# KiCad board Rogelio Pineda - connect 4 AMLDC-2044B.kicad_pcb (continued)
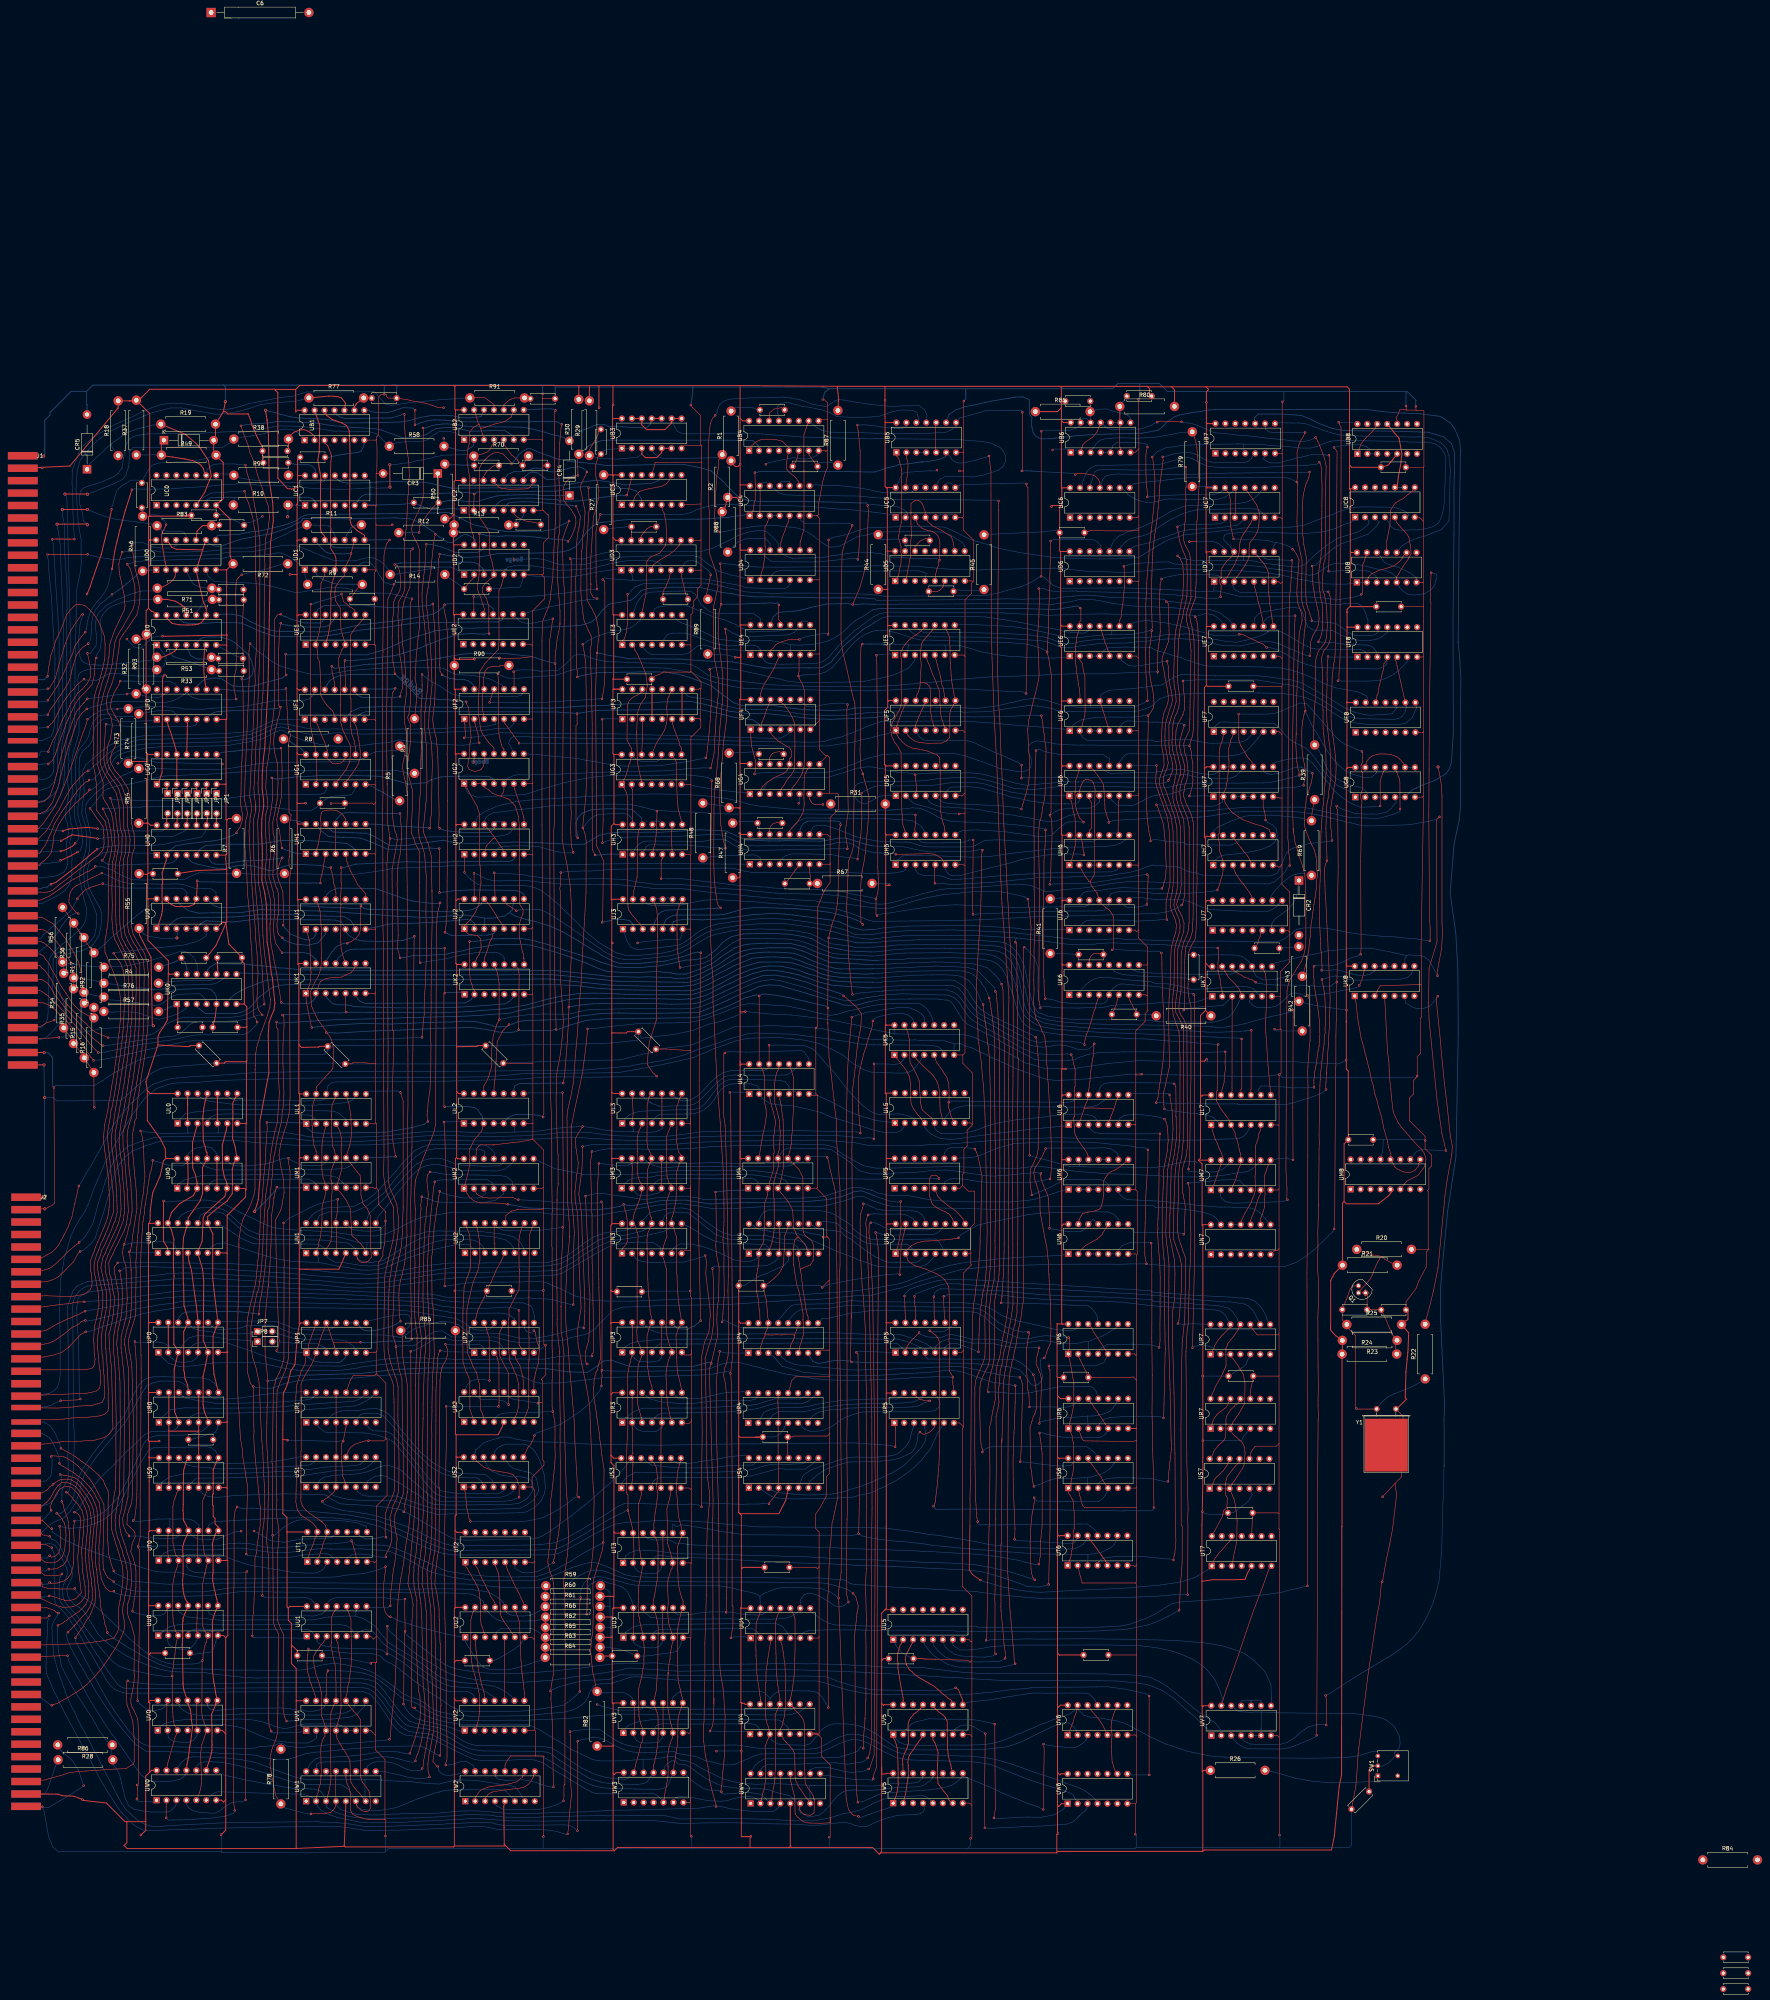
[diagram p0: board, top side]
## Routing (per net, layer and track width the routed paths; a pad name or vN(x,y) marks a point on that pad's centre or on a via; arc(x,y) is an arc through that point) (continued)
S0p1: length 55.3
  Bottom w0.15: US0.1 111.43,129.3 113.27,130.57 116.82,131.37 118.29,131.38 129.01,131.49 130.75,131.51 136.94,131.7 140.03,131.88 145.74,132.13 149.89,132.6 153.05,133.09 158.69,133.35 160.74,133.49 161.96,133.74 162.25,134.02 ; 162.25,134.02 162.26,134.04 ; 162.25,134.02 163.06,134.69 US1.10
S0p4: length 50.6
  Bottom w0.15: US1.9 165.64,134.7 165.11,134.27 164.56,133.7 163.65,133.03 162.04,132.38 158.71,132.22 157.05,132.21 155.04,132.14 153.43,131.87 150.15,131.39 148.06,131.03 146.11,130.85 144.14,130.78 140.61,130.7 138.63,130.7 134.55,130.44 131.41,130.43 124.38,130.29 122.44,130.28 120.06,130.23 118.17,128.45 US0.4
S0p9: length 25.7
  Bottom w0.15: US1.16 146.88,135.78 145.82,135.58 142.43,134.93 139.26,134.43 137.34,134.25 130.61,134.05 128.35,133.96 124.81,133.92 US0.9
S0p12: length 37
  Bottom w0.15: US0.12 116.93,134.17 118.04,133.57 119.68,133.17 123.44,132.9 124.77,132.73 126.06,132.61 128.06,132.64 128.95,132.73 134.65,132.76 138.08,132.93 139.24,133.05 143.65,133.22 145.11,133.35 148.23,133.54 149.34,133.71 149.62,133.98 150.42,134.56 US1.15
S1p2: length 191.2
  Top w0.15: 298.62,138.32 298.59,138.3 v1(298.63,138.3) 298.63,138.34 298.79,138.5 298.79,143.3 298.43,143.66 UR5.1 ; v1(202.57,125.39) 202.57,128.37 202.04,129.97 200.95,131.24 199.85,131.56 196.36,132.17 195.06,132.48 193.52,133.12 192.02,134.34 US2.13
  Bottom w0.15: 191.53,137.5 193.52,139.27 195.17,139.91 196.79,140.37 197.4,140.52 198.26,140.79 199.98,140.73 202.07,140.17 206.04,139.55 209.39,139.51 209.81,139.48 212.21,139.46 215.84,139.15 217.08,139.19 217.42,139.11 221.67,138.93 222.47,138.9 238.32,138.68 255.38,138.97 258.84,139.01 262.76,139.01 288.23,139.28 297.28,138.63 297.94,138.47 v1(298.63,138.3) ; 191.53,137.5 191.39,136.91 US2.13 ; 191.53,137.5 191.59,137.56 ; 174.59,130.3 172.51,132.14 171.9,132.63 169.25,133.54 167.63,133.36 166.21,132.84 164.99,132.29 163.66,131.86 161.52,131.38 159.63,131.24 156.5,131.07 154.4,130.83 152.8,130.52 151.73,129.86 US1.2 ; 174.59,130.3 174.68,130.2 ; 174.59,130.3 176.92,128.29 179.85,125.66 181,124.9 182.73,124.3 187.12,124.34 188.39,124.37 189.84,124.33 197.92,124.34 200.41,124.53 201.38,124.85 v1(202.57,125.39)
S1p3: length 84
  Bottom w0.15: US2.11 196.31,136.95 196.94,137.85 197.67,138.38 199.31,138.96 204.19,138.94 205.34,138.28 206.09,137.68 206.6,137.09 207.79,135.07 208.42,132.98 208.99,131.16 209.3,127.68 209,126.23 208.11,124.31 206.49,122.75 204.38,121.62 202.58,121.42 195.22,121.28 192.81,121.31 187.17,121.19 185.05,121.14 181.48,121.01 177.85,122.13 173.57,123.6 170.39,124.49 165.6,124.59 164.57,124.52 163.31,124.58 162.31,124.61 161.53,124.64 159.11,124.79 157.91,125.05 156.74,125.35 155.31,125.76 154.57,126.42 154.1,126.77 US1.3
S1p6: length 64.1
  Bottom w0.15: US1.6 161.3,126.77 162.71,125.86 163.31,125.73 164.1,125.67 ; 164.12,125.65 164.1,125.67 ; 164.1,125.67 166.29,125.67 166.73,125.65 168.25,125.68 171.28,125.7 175.94,124.04 179.18,122.89 181.93,122.3 183.09,122.29 184.4,122.27 185.73,122.28 187.69,122.29 189.85,122.29 195.41,122.32 202.83,122.59 204.44,123.34 206.26,124.7 207.6,127.04 207.21,129.46 206.84,130.47 206.11,131.14 205.4,131.65 204.5,131.89 202.94,132.24 201.14,132.7 200.32,133.3 199.49,134.43 US2.10
S1p7: length 64.9
  Bottom w0.15: US2.12 193.88,134.62 194.26,133.71 194.92,132.77 195.54,132.1 197.76,131.08 200.11,130.69 201.15,130.65 202.97,130.61 203.64,130.52 204.58,130.28 205.71,129.68 205.97,129.03 206.18,127.9 206.08,127.4 205.96,126.9 205.25,125.85 204.69,125.12 203.84,124.56 202.46,123.8 199.52,123.48 196.88,123.46 195.56,123.47 194.29,123.5 189.36,123.42 186.09,123.38 185.71,123.36 181.5,123.5 180.8,123.56 179.83,123.91 179.19,124.25 178.2,124.95 176.8,126.03 175.37,126.86 173.15,128.29 172.98,128.46 172.03,128.98 170.62,129.72 168.5,130.66 167.71,130.9 165.87,130.77 163.94,129.6 US1.7
S3p1: length 50.9
  Bottom w0.15: US4.10 275.22,133.96 271.41,133.81 267.38,133.81 265.63,133.53 262.09,132.47 260.01,132.17 258.76,132.04 255.35,131.89 254.35,131.86 248.4,131.63 233.34,131.69 232.01,131.65 230.48,130.79 229.82,130.26 228.66,128.75 US3.1
S3p4: length 45.6
  Bottom w0.15: US4.9 278.3,134.77 277.69,134.03 275.69,132.59 270.94,132.55 268.85,132.72 261.67,130.78 257.23,130.48 247.61,130.36 239.76,130.53 238.46,130.41 237.55,130.08 236.77,129.31 US3.4
S3p9: length 20.8
  Bottom w0.15: US3.9 242.43,134.39 243.11,134.09 243.91,133.89 246.63,134.12 247.59,134.25 249.38,134.58 253.18,135.15 256.07,135.67 256.35,135.73 256.76,135.79 259.3,136.03 260.57,136.03 US4.16
S3p12: length 31.6
  Bottom w0.15: US4.15 263.32,134.45 262.29,133.63 258.38,133.54 256.48,133.49 252.95,133.08 250.06,132.91 245.73,132.86 239.68,133.18 238.08,133.39 236.48,133.62 235.43,134.2 234.5,135.05 US3.12
S4p2: length 56.3
  Bottom w0.15: US4.2 265.01,126.97 265.87,126.31 267.21,125.55 268.66,125.19 272.48,124.94 283.97,125.18 285.24,125.31 287.98,125.43 289.19,125.84 292.8,126.59 293.08,126.86 293.53,126.95 293.8,127.17 294.98,127.69 295.69,127.95 296.93,128.64 298.46,129.4 299.72,130.21 301.07,131.1 303.58,133.06 304.21,133.72 305.3,134.78 305.67,135.26 306.19,135.9 306.58,136.39 306.86,136.74 307.7,137.79 308.85,140.37 309.41,141.5 309.61,141.94 309.98,142.51 310.4,143.23 UR5.6
S4p3: length 49.5
  Bottom w0.15: UR5.4 306.21,143.22 306.42,142.36 306.57,141.05 306.37,139.77 305.6,138.43 304.73,137.37 301.53,134.12 300.55,133.26 299.43,132.56 297.88,131.6 296.63,131.05 295.36,130.44 293.65,129.7 292.38,129.18 291.53,128.83 290.44,128.37 289.01,127.9 287.08,127.37 284.96,126.61 282.77,126.25 281.11,126.11 277.79,125.97 275.27,125.97 268.53,126.57 267.65,126.99 267.23,127.06 US4.3
S4p6: length 37.9
  Bottom w0.15: UR5.3 303.41,143.38 303.13,142.82 303.04,142.45 302.9,142.08 302.72,141.4 302.54,140.5 302.13,139.46 301.35,138.35 299.85,136.89 298.37,136.12 297.48,135.98 296.51,135.84 295.25,135.77 294.24,135.65 293.7,135.58 292.91,135.58 288.41,135.64 287.61,135.56 286.23,135.4 285.46,135.17 283.48,134.65 281.84,134.05 279.09,133.07 277.35,132.46 276.65,132.01 275.86,131.53 274.99,130.73 US4.6
S4p7: length 40.9
  Top w0.15: UR5.5 308.65,143.2 307.89,142.37 307.49,142.05 307.04,141.81 306.07,141.47 305.64,141.53 305.05,142 v1(304.99,142.05) 305.01,142
  Bottom w0.15: v1(304.99,142.05) 304.52,141.64 304.36,140.06 303.97,138.56 303.45,137.56 302.84,136.84 301.7,136.22 300.69,135.77 299.53,135.3 298.41,135.07 297.85,134.9 296.49,134.74 293.33,134.5 287.64,134.4 286.63,134.36 285.56,134.05 284.69,133.81 281.33,132.67 280.06,132 278.95,131.23 276.9,129.51 US4.7
S6p12: length 159.5
  Top w0.15: 334.3,104.21 334.3,104.25 v1(334.35,104.3) 334.3,104.35 333.83,104.95 333.51,105.97 333.35,107.31 333.14,113.88 333.23,115.44 333.29,117.48 333.33,118 333.65,121.13 333.82,121.97 334.16,123.86 334.22,124.98 v1(334.16,125.28) ; US6.12 347.96,134.64 348.53,134.23 348.8,133.88 349.13,133.53 349.33,133.2 350.02,132.23 351.24,130.55 351.59,129.87 351.92,129.39 352.42,128.56 US6.5
  Bottom w0.15: v1(334.35,104.3) 333.08,104.68 332.4,104.93 331.77,105.17 329.92,105.71 328.57,106.15 326.77,106.66 325.88,106.81 324.26,107.2 322.48,107.55 321.14,107.79 319.26,108.15 314.84,108.46 314.12,108.5 310.72,108.65 309.51,108.7 304.54,108.83 303.42,108.95 297.58,109.18 295.97,109.26 293.38,109.4 289.89,109.42 288.21,109.52 286.69,109.56 282.4,109.77 279.41,109.98 275.75,110.18 274.51,110.2 273.04,110.25 270.63,110.29 268.25,110.42 264.7,110.49 262.54,110.51 258.41,110.69 243,110.97 236.16,111.84 232.75,111.88 230.82,111.18 229.84,110.46 UT3.1 ; v1(334.16,125.28) 334.78,124.42 342.32,124.34 350.51,124.27 351.71,125.08 352.31,125.84 352.62,126.47 US6.5
S6p13: length 100.5
  Top w0.15: 330.64,155.91 331.13,154.47 331.2,152.63 330.82,137.11 v1(330.58,134.45)
  Bottom w0.15: v1(330.58,134.45) 331.58,134.4 332.38,134.31 333.38,134.17 334.68,134.04 336.61,133.73 337.39,133.69 338.88,133.47 341.47,133.4 342.16,133.36 342.74,133.48 343.56,133.57 344.39,134.4 US6.13 ; 330.42,156.09 v1(330.51,156.01) 328.47,156.22 327.21,156.39 325.24,156.71 321.72,157.41 319.64,157.91 315.98,158.66 314.63,158.74 313.16,158.72 313.09,158.74 309.84,158.63 308.83,158.63 307.89,158.53 304.36,158.37 303.17,158.32 298.58,158.16 297.9,158.13 297.44,158.07 291.05,157.97 ; 291.05,157.97 289.27,157.87 286.4,157.97 273.17,159.24 270.88,160.15 269.72,161.16 UP4.4 ; 291.05,157.97 291.09,157.97
S7p11: length 22.1
  Top w0.15: US7.11 386.49,134.18 385.65,133.46 384.78,132.32 384.13,131.51 383.48,130.65 383.3,129.98 383.01,129.06 383.04,127.2 383.13,125.93 383.54,125.2 383.4,122.76 382.55,121.94 382.31,120.54 UT7.14
S7p12: length 9.3
  Top w0.15: US7.12 383.85,134.24 383.32,133.34 382.51,132.18 381.67,131.41 380.81,130.57 380.46,130.27 380.2,129.84 379.98,129.14 US7.1
SPARE: length 54.8
  Top w0.15: 82.62,265.77 83.97,264.26 84.82,263.26 R56.1 ; 82.83,265.61 81.86,266.37 81.78,266.49 80.96,267.04 80.28,267.37 75.83,267.62 J1.79
  Bottom w0.15: UK0.12 120.44,260 120.38,261.13 119.9,262.46 119.26,263.46 118.53,264.08 117.39,264.76 116.25,264.9 114.48,264.29 113.5,263.94 112.46,263.68 108.73,262.54 105.58,261.79 103.31,261.3 101.77,261.11 101.21,260.98 100.29,260.91 98.84,260.91 R75.1 91.64,261.1 90.04,261.36 89.17,261.42 88.1,261.53 R56.1 86.23,261.75 R34.2
SPC BKD: length 338.4
  Top w0.15: J2.67 81.44,97.15 81.88,97.18 82.31,97.02 83.75,96.52 84.4,95.89 v1(84.9,95.83) 84.88,95.89 ; v1(217.55,63.07) 217.55,40.13
  Bottom w0.15: v1(217.49,40.23) 216.82,40.75 216.35,41.16 215.15,41.65 214.26,41.71 213.26,41.72 199.05,41.52 197.52,41.78 196.39,41.99 195.71,42.23 193.69,42.35 193.21,42.32 192.62,42.32 191.22,42.3 190.39,42.27 189.23,42.23 188.3,42.17 184.82,41.97 184.32,42 182.7,41.85 180.81,41.79 173.24,41.5 172.24,41.48 166.56,41.23 165.33,41.25 164.41,41.23 163.61,41.29 163.53,41.3 161.48,41.53 160.51,41.73 159.14,41.96 158.31,42.05 158.01,42.09 156.07,42.27 154.98,42.34 152.05,42.42 151.02,42.52 127.93,42.31 124.45,42.09 121.33,41.93 118.9,41.86 114.13,41.56 112.36,41.43 111.34,41.34 109.16,41.28 108.07,41.47 106.94,41.89 106.33,42.21 105.48,42.65 103.92,43.89 103.7,44.14 103.41,44.45 102.31,45.43 101.57,46.5 101.07,47.15 100.78,47.7 100.1,48.89 99.79,49.5 98.98,51 98.36,52.29 97.25,54.36 96.85,55.18 96.42,55.96 95.8,57.04 95.21,58.56 94.76,59.41 93.78,61.02 93.3,62.06 92.75,63.13 92.22,64.11 91.48,65.6 90.81,66.74 89.86,68.61 88.96,70.59 88.21,71.94 87.44,73.62 86.68,75.53 86.18,77.11 85.61,78.64 85.01,80.34 84.58,81.64 83.99,83.78 83.68,85.04 83.5,87.36 83.27,90.31 83.22,92.55 83.49,93.29 83.8,93.87 84.4,94.87 v1(84.9,95.83) ; v1(217.55,63.07) 217.96,63.33 218.71,63.47 220.24,63.79 221.24,64.06 222.48,64.06 224.27,63.54 226.35,62.36 228.72,61.14 230.18,60.7 231.37,60.36 231.61,60.34 233.2,60.16 234.71,60.17 236.74,60.19 242.18,60.45 242.91,59.96 244.39,59.72 245.72,59.52 247.78,59.15 249.93,58.22 251.87,57.76 253.91,57.23 255.22,57.05 256.82,57.03 257.91,57.23 259.04,57.76 260.23,58.24 262.49,59.25 264.19,59.82 265.9,59.83 270.08,60.02 278.11,59.87 279.84,60.3 281.12,60.91 282.57,61.58 284.05,62.31 285.88,63.05 287.57,63.49 289.47,63.4 290.09,63.18 290.78,63 292.36,62.22 292.75,62.01 294.03,61.28 296.14,60.23 298.67,58.99 301.32,58.45 302.74,58.29 314.07,57.98 319.57,57.72 322.95,57.16 327.78,55.25 330.92,53.99 333.62,52.96 338.82,51.33 341.14,50.64 343.05,50 344.06,49.46 344.94,47.87 UW6.2
START: length 216.4
  Top w0.15: 343.6,238.57 343.64,238.54 v1(343.64,238.46) 343.71,238.46 343.86,237.92 344.29,236.03 344.48,235.22 344.64,234.66 344.66,233.66 344.63,232.96 344.63,230.29 344.44,230.1 344.44,229.15 344.44,229.14 344.44,225.15 344.52,222.64 344.55,222.7 344.22,222.41 344.55,218.69 344.6,218.07 344.87,217.54 345.19,216.86 345.46,216.49 346.02,215.65 346.54,214.93 346.97,214.41 347.69,213.23 347.89,212.79 UM6.12 ; UK2.11 197.03,259.25 197.17,258.57 197.48,256.56 197.48,247.47 197.51,247.43 v1(197.52,247.4) 196.83,246.06 195.97,243.26 195.53,239.47 195.56,235.3 194.78,232.81 194.46,232.01 193.56,230.36 UL2.12
  Bottom w0.15: 294.6,253.46 292.46,253.15 290.22,252.81 289.41,252.58 288.24,252.18 286.17,252.28 285.29,252.35 284.44,252.52 283.33,252.97 282.41,253.12 280.03,254.02 278.36,254.58 276.75,255.18 274.87,255.82 272.85,256.32 270.98,256.89 268.74,257.41 267.13,257.6 266.2,257.5 264.56,257.27 262.97,256.85 260.87,255.99 256.43,254.01 255.12,253.35 253.87,252.78 252.71,252.18 250.92,251.45 249.15,250.72 247.61,250.33 246.99,250.28 244.09,250.12 233.21,250.22 230.18,250.14 222.1,249.97 220.39,249.89 217.84,249.39 216.75,249.1 215.21,248.73 214.22,248.74 213.33,248.76 209.39,248.81 209.19,248.81 205.52,248.66 204.61,248.58 202.75,248.35 202.16,248.24 200.47,248.03 199.13,247.71 v1(197.52,247.4) ; 294.6,253.46 294.71,253.48 ; 294.6,253.46 296.99,253.79 298,253.86 298.64,253.86 300.35,253.97 309.68,253.7 312.32,253.63 312.83,253.36 313.91,252.87 315.03,251.69 316.21,249.87 316.85,248.93 317.84,247.65 318.47,247.19 319.5,246.52 322.09,245.01 323.16,244.55 325.42,243.25 326.79,242.6 329.69,240.9 331.21,240.03 333.76,238.89 335.43,238.62 336.68,238.55 337.7,238.45 340.03,238.49 342.01,238.56 342.67,238.63 v1(343.64,238.46)
STRT: length 73.4
  Top w0.15: v1(94.56,339.77) 94.34,339.56 94.22,338.19 94.12,337.66 94.11,335.64 93.77,334.19 93.5,333.05 91.99,331.32 91.52,330.82 90.12,329.43 88.91,327.56 88.28,326.08 87.47,324.36 86.89,323.04 86.38,321.66 85.63,319.71 84.98,317.74 84.47,316.28 84.06,314.98 83.32,313.52 v1(82.28,312.68)
  Top w0.25: 117.56,350.67 117.56,352.36 117.22,352.55 116.34,353.27 114.78,354.24 112.82,354.65 112.78,354.7 R51.2
  Bottom w0.15: R51.2 108.02,354.71 107.96,354.67 106.7,354.65 105.44,354.56 104.28,354.48 101.43,354.03 98.87,353.12 98.34,352.85 97.38,352.2 96.19,350.76 95.82,350.07 95.5,349.16 95.8,346.47 95.95,344.55 95.73,343.22 95.49,341.9 94.56,340.4 v1(94.56,339.77) ; J1.52 80.7,312.61 81.37,312.71 81.98,312.68 v1(82.28,312.68)
T0p1: length 390.3
  Top w0.15: 373.42,100.26 v1(373.38,100.51) 373.46,118.04 373.38,119.86 373.5,122.19 373.18,134.42 373.17,135.96 373.08,147.36 373.08,149.54 372.94,161.42 372.97,162.54 373.24,167.83 373.52,169.65 373.57,172.74 373.6,173.68 373.71,176.1 373.73,177.81 373.84,179.69 373.93,183.38 374.11,185.81 374.11,187.57 374.16,189.26 374.21,192.41 374.16,194.17 374.01,199.49 373.96,200.55 373.91,201.5 373.86,202.57 373.76,204.49 373.62,205.13 v1(373.46,205.6)
  Bottom w0.15: v1(373.46,205.6) 374.08,205.67 376.42,205.85 377.15,205.98 378.37,205.99 379.13,206.14 381.23,206.36 382.17,206.41 385.11,206.54 386.75,206.19 387.69,205.25 UM7.5 ; UT0.1 110.5,109.89 111.12,110.38 111.8,111.05 113.07,111.73 113.81,111.9 114.64,111.95 115.87,111.99 116.58,112.02 118.46,111.97 119.24,111.98 125.64,111.98 126.32,112 128.13,112.31 128.83,112.36 129.2,112.39 131.76,112.41 134.15,112.06 136.3,111.7 137.64,111.48 140.05,111.26 140.45,111.28 140.74,111.29 142.72,111.23 145.41,111.49 146.52,111.64 147.24,111.75 147.7,111.82 149.71,112.01 150.84,112.15 152.61,112.34 154.51,112.14 154.68,112.16 155.66,112.15 160.6,112.16 162.33,112.2 166.47,111.9 167.54,111.87 168.83,111.67 169.66,111.5 171.39,110.78 172.55,110.33 173.39,109.86 174.63,109.27 175.7,108.64 176.18,108.42 177.05,107.85 177.48,107.58 178.52,107.07 179.57,106.53 180.78,106.13 181.77,105.82 183.14,105.51 184.68,105.13 185.65,104.96 186.58,104.79 186.96,104.74 188.34,104.54 189.83,104.26 191.99,104.24 192.04,104.24 192.71,104.17 205.33,104.04 206.42,104.1 208.47,104.49 209.47,104.76 210.87,105.26 211.83,105.61 212.51,105.86 213.56,106.32 214.77,106.84 215.88,107.34 217.24,107.78 218.21,108.07 219.27,108.39 220.18,108.6 220.7,108.69 221.56,108.67 222.43,108.59 223.54,108.22 224.33,107.94 225.2,107.55 225.5,107.46 226.39,107.06 227.94,106.35 229.31,105.76 230.39,105.43 231.73,105.14 232.59,105.09 233.13,105.04 239.25,104.86 240.55,104.86 254.85,104.95 256.54,104.95 263.29,104.91 271.58,104.71 274.73,104.69 278.39,104.79 278.95,104.81 280.37,104.69 281.25,104.62 283.81,104.35 285.1,104.29 285.75,104.24 287.35,103.27 288.65,103.11 290.12,103 291.71,102.95 293.44,102.69 293.47,102.73 298.46,102.41 300.15,102.41 301.58,102.31 303.12,102.15 306.26,102.01 307.83,101.95 316.79,101.44 319.04,101.33 324.56,100.52 327.5,100.26 333.11,99.74 335.24,99.58 352.26,99.68 356.29,99.76 360,99.87 361.52,99.95 364.06,99.98 368.58,100.37 369.67,100.47 370.11,100.48 372.8,100.56 v1(373.38,100.51)
T0p9: length 241.6
  Top w0.2: UT6.5 352.47,109.08 352.01,109.67 351.43,110.43 350.13,112.33 349.37,113.32 348.3,114.69 UT6.12
  Bottom w0.15: 292.82,117.61 272.18,117.77 263.7,117.82 258.17,118.28 254.79,118.57 251.04,118.99 244.82,119.4 242.75,119.22 238.47,119.52 232.72,119.01 230.09,119.01 227.04,118.5 223.32,116.8 220.32,115.15 218.66,114.18 217.98,113.82 217.61,113.57 216.89,113.22 215.84,112.61 215.07,112.21 213.02,111.26 212.42,110.97 211.21,110.76 210.7,110.67 210.39,110.66 196.23,110.69 185.92,110.64 184.7,110.84 183.15,111.03 179.67,112.21 178.6,112.63 176.87,113.39 176.52,113.58 175.58,113.96 172.46,115.52 171.35,115.98 166.76,117.98 161.87,119.26 158.29,119.76 155.36,120.09 152.57,120.16 150.31,120.19 147.78,120.18 138.29,119.96 134.34,119.63 131.23,119.53 130.03,119.44 126.46,119.26 125.36,119.2 124.65,119.16 123.37,118.25 122.91,117.63 UT0.9 ; 292.82,117.61 293.09,117.61 ; 292.82,117.61 292.87,117.57 295.8,117.52 297.06,117.44 297.69,117.32 299.68,117.03 301.16,116.9 303.59,116.47 304.88,116.3 307.31,115.9 309.67,115.65 312.67,115.16 313.11,115.08 313.91,114.95 317.87,114.28 319.41,114 321.43,113.57 322.75,113.3 326.57,112.9 328.22,112.73 329.25,112.64 329.88,112.57 332.75,112.44 333.85,112.43 342.16,112.18 344.34,112.2 345.73,112.73 346.74,113.43 347.56,114.48 UT6.12
T0p10: length 7.8
  Top w0.15: 120.66,116.85 120.42,116.61 120.42,115.52 120.46,114.96 120.37,112.35 120.4,111.64 120.39,110.2 120.39,109.51 UT0.5
T0p13: length 129.5
  Top w0.15: 104.46,163.9 104.43,163.93 v1(104.43,165.18) ; UT0.2 112.83,110.98 112.83,112.42 112.81,114.18 112.85,115.27 112.89,115.99 UT0.13 ; 104.52,163.84 104.65,161.62 104.75,160.07 104.91,150.46 104.91,148.36 104.94,127.2 104.89,126.12 104.92,125.49 104.85,124.77 104.7,122.71 104.34,119.82 v1(103.99,119.46)
  Top w0.25: UN0.4 118.24,185.55 118.89,183.24 119.76,176.57 120.1,174.41 UP0.10 UP0.5 ; UP0.13 UP0.2
  Bottom w0.15: v1(103.99,119.46) 104.65,119.24 105.21,119.24 106.65,119.35 108.09,119.48 110.16,119.8 113.32,119.85 113.35,119.82 ; UP0.5 120.4,161.33 120.21,161.02 119.94,160.73 119.04,160.14 117.17,159.85 115.09,159.99 113.42,161.21 UP0.2 113.13,164.07 111.38,164.9 109.95,165.05 107.9,165.02 106.54,164.91 104.89,164.88 v1(104.43,165.18) ; UT0.10 120.78,118.21 120.11,118.85 119.55,119.31 119.04,119.53 118.61,119.75 116.9,119.85 115.07,119.8 114.63,119.78 113.52,119.83 113.35,119.82 ; 113.35,119.82 113.35,117.88 113.04,117.58 UT0.13
T1p11: length 22.7
  Bottom w0.15: UT1.11 154.64,115.07 151.63,114.8 146.91,114.71 143.92,114.16 142.61,113.9 139.02,114.31 136.85,115.68 135.74,116.32 v1(134.84,116.78) 134.82,116.79
T2p1: length 20.3
  Top w0.15: UT2.1 188.93,107.65 189.34,107.27 189.68,106.46 190.2,105.73 190.7,104.78 191.5,103.39 191.8,102.79 192.22,101.84 192.48,100.71 192.52,99.77 192.62,99.12 192.68,98.19 192.77,95.16 192.78,93.85 192.88,92.88 193.12,92.3 193.5,91.14 193.62,90.77 UU2.3
T2p2: length 12.8
  Top w0.15: UU2.11 196.43,98.26 196.01,99 195.32,100.09 194.9,101.1 194.57,101.76 194.32,102.08 193.89,103.11 193.55,103.67 193.13,104.54 192.58,105.62 191.94,107.24 191.38,107.97 UT2.2
T2p4: length 20.5
  Top w0.15: UU2.6 200.77,90.65 200.14,91.59 199.84,92.12 199.02,93.16 198.66,93.75 198.19,94.54 197.92,95.12 197.82,95.53 197.69,98.3 197.67,99.22 197.55,101.99 197.39,105.57 197.18,106.22 196.82,107.21 196.53,107.82 196.53,107.88 196.46,107.94 UT2.4
T2p5: length 13
  Top w0.15: UU2.8 203.67,98.47 203.38,99.09 203.05,99.73 202.68,100.62 202.22,101.45 201.73,102.32 201.17,103.52 200.63,104.69 200.1,105.81 199.61,106.79 UT2.5 199,108.47
T3p4: length 185.4
  Top w0.15: UP6.12 347.96,169.45 348.69,168.89 349.46,167.39 350.2,166.34 350.48,165.9 351.34,164.65 352.3,163.11 UP6.5 ; v1(337.95,158.97) 337.95,158.21 338.22,157.94 338.22,117.79 v1(337.87,103.12) 337.86,103.03
  Bottom w0.15: 337.31,102.86 v1(337.87,103.12) ; v1(337.95,158.97) 340.58,158.94 341.31,158.98 345.34,158.95 346.91,158.96 349.98,158.96 352.01,159.83 352.59,160.95 UP6.5 ; 337.27,102.86 336.63,102.72 335.36,102.47 332.53,102.56 330.48,103.36 327.35,104.43 324.77,105.26 321.23,106.25 318.7,106.67 315.24,106.89 313.82,106.98 312.47,107.03 306.45,107.3 304.56,107.42 300.32,107.61 299.41,107.64 298.71,107.72 298.16,107.74 ; 298.16,107.74 294.6,107.83 288.84,107.97 287.34,108.11 283.58,108.29 281.69,108.39 276.67,108.53 274.82,108.59 272.76,108.67 271.52,108.73 268.74,108.88 263.1,109.12 260.7,109.28 256.16,109.49 254.37,109.64 248.94,109.9 243,110 237.96,110.63 237.17,109.99 236.85,109.43 UT3.4 ; 298.16,107.74 298.36,107.73
T3p9: length 179.1
  Top w0.15: 289.21,115.92 v1(289.35,116.1) 289.57,127.93 289.16,161.49 289.16,161.95 v1(288.72,162.39)
  Bottom w0.15: UT6.3 347.91,110.05 347.92,110.59 347.81,110.78 ; UP5.1 289.28,162.7 v1(288.72,162.39) ; UT6.9 355.11,114.3 354.67,113.36 353.85,112.57 352.51,111.88 351.31,111.32 349.71,110.95 347.81,110.78 ; UT3.9 241.84,118.45 242.19,118.35 242.66,117.99 243.08,117.93 244,118.33 245.32,118.22 248.1,117.72 251.16,117.29 253.71,116.71 256.88,116.27 260.05,115.82 279.49,115.67 284.88,115.69 287.34,115.65 288.24,115.71 v1(289.35,116.1) 289.35,116.21 290.16,115.51 291.18,115.3 292.26,115.05 293.91,114.74 297.19,114.33 298.6,114.2 299.9,114.07 301.4,113.98 302.56,113.88 306.76,113.38 308.38,113.08 311.7,112.77 312.79,112.69 314.34,112.49 315.41,112.39 317.4,112.29 317.29,112.26 318.35,112.18 320.82,111.94 321.76,111.93 324.33,111.65 325.93,111.52 329.33,111.34 330.24,111.25 333.26,111.03 335.12,110.92 347.81,110.78